# KiCad board MothBox.kicad_pcb (continued)
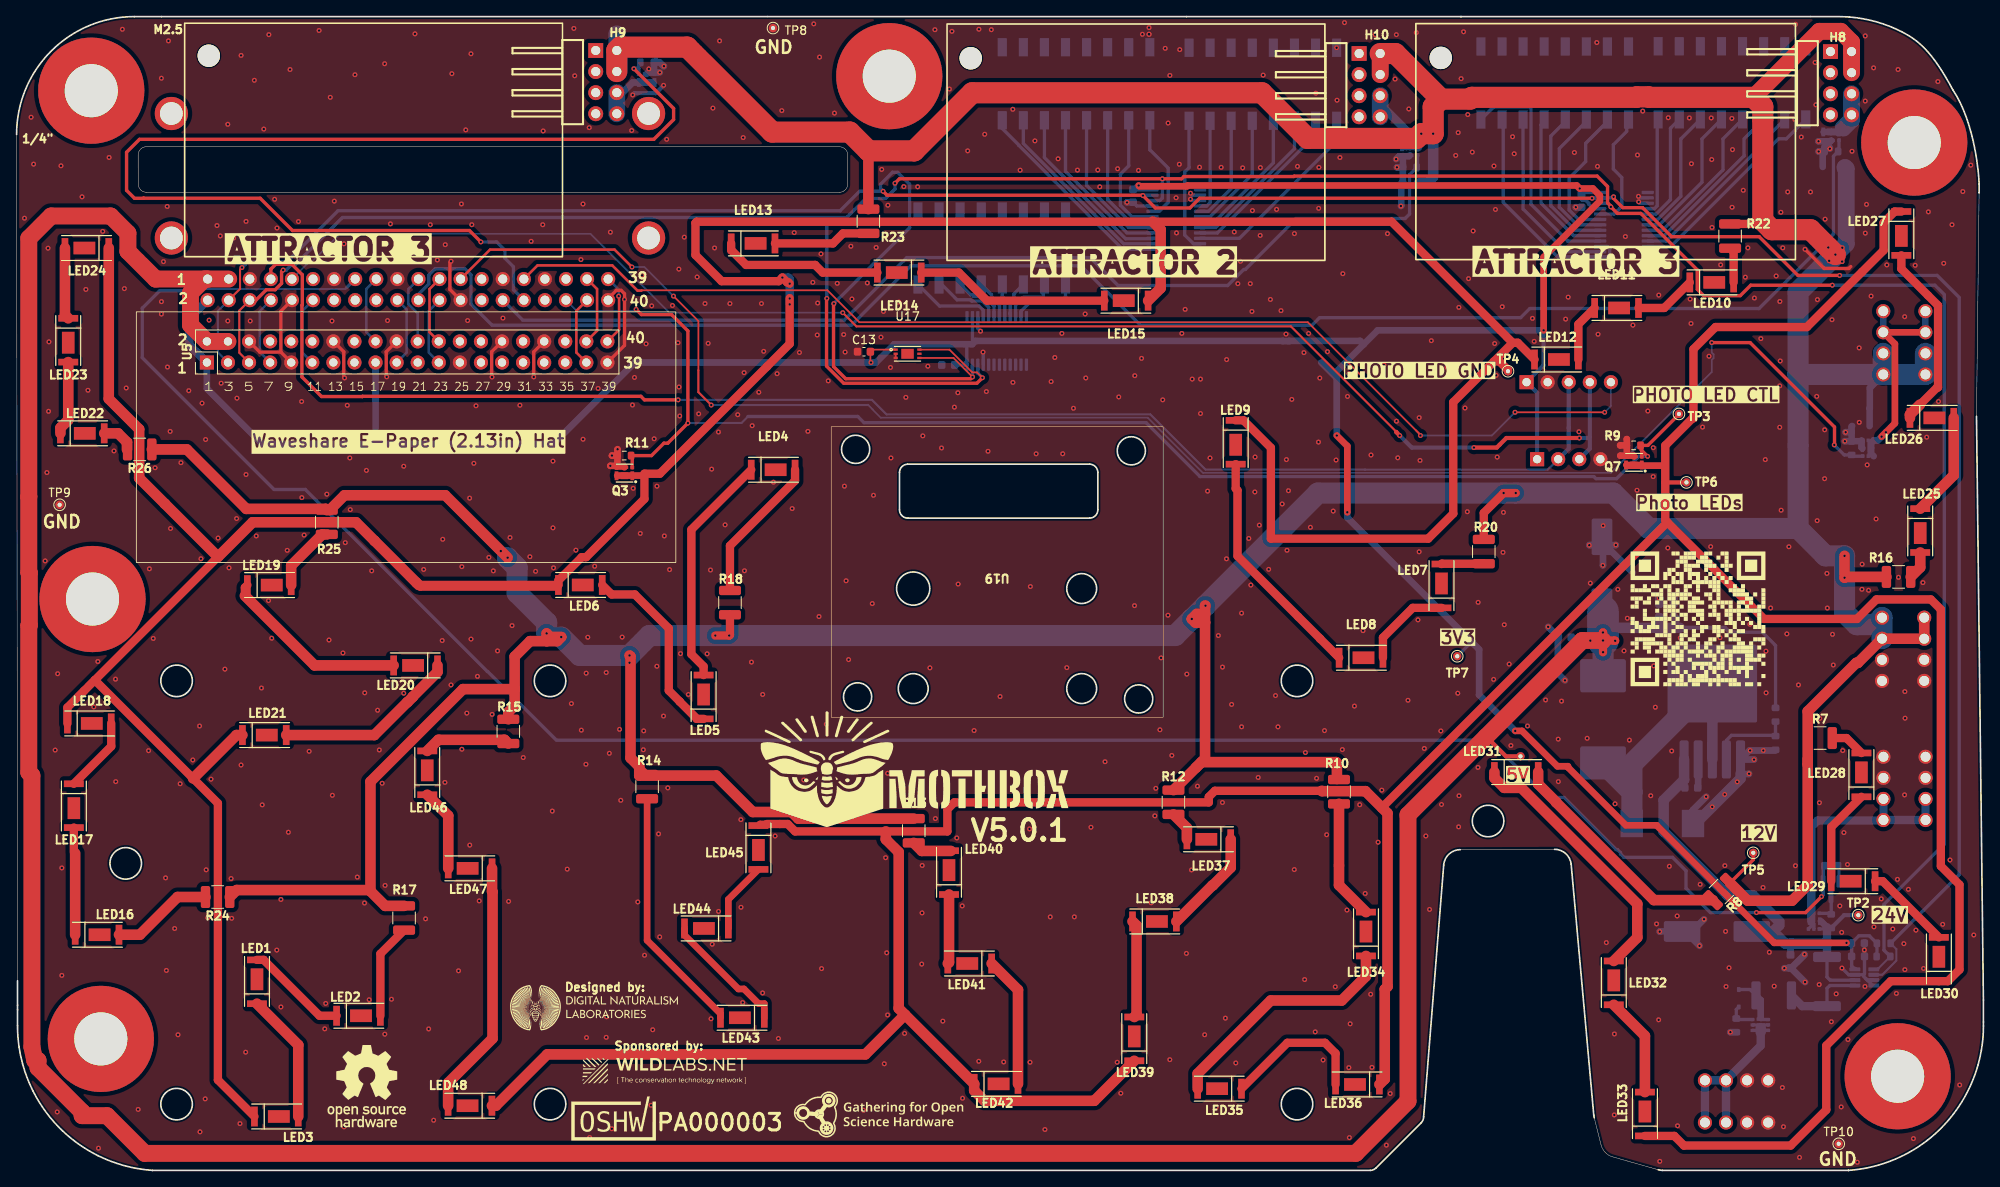
[diagram p0: board, top side]
## Routing (per net, layer and track width the routed paths; a pad name or vN(x,y) marks a point on that pad's centre or on a via; arc(x,y) is an arc through that point) (continued)
/GPS and Switches and Light Sensor/HI/LOW_PWR: length 8.4
  Bottom w0.4: U9.5 117.12,104.01 116.39,104.74 115.1,104.74 114.95,104.89 113.32,104.89 111.47,106.74 U12.15 111.21,106.68
/GPS and Switches and Light Sensor/Hour_1: length 11.7
  Bottom w0.4: U16.4 197.33,115.88 197.67,116.22 197.67,126.52 U13.16
/GPS and Switches and Light Sensor/Hour_2: length 13.6
  Bottom w0.4: U16.5 197.53,115.23 199.27,116.97 199.27,125.57 U13.15
/GPS and Switches and Light Sensor/Hour_3: length 15.4
  Bottom w0.4: U16.6 197.73,114.58 200.53,117.37 200.53,124.29 U13.14
/GPS and Switches and Light Sensor/Hour_4: length 17.2
  Bottom w0.4: U13.13 203.07,124.29 203.07,119.06 197.93,113.93 U16.7
/GPS and Switches and Light Sensor/Hour_5: length 19.1
  Bottom w0.4: U16.8 198.33,113.28 205.61,120.56 205.61,124.29 U13.12
/GPS and Switches and Light Sensor/Hour_6: length 21
  Bottom w0.4: U16.9 198.53,112.63 208.15,122.25 208.15,124.29 U13.11
/GPS and Switches and Light Sensor/Hour_7: length 22.8
  Bottom w0.4: U13.10 210.69,124.29 210.69,123.9 198.77,111.98 U16.10
/GPS and Switches and Light Sensor/Hour_8: length 25.4
  Bottom w0.4: U16.11 199.33,111.33 212.29,124.29 213.23,124.29 U13.9
/GPS and Switches and Light Sensor/Hour_9: length 28.5
  Bottom w0.4: U14.16 177.94,128.12 182.47,128.12 182.47,116.41 186.9,111.98 U16.15
/GPS and Switches and Light Sensor/Hour_10: length 27.6
  Bottom w0.4: U14.15 178.98,126.37 179.13,126.22 179.13,116.63 185.68,110.08 191.66,110.08 191.95,110.37 191.95,110.99 191.61,111.33 U16.14
/GPS and Switches and Light Sensor/Hour_11: length 22.2
  Bottom w0.4: U16.13 186.67,110.68 181.52,115.83 U14.14
/GPS and Switches and Light Sensor/Hour_12: length 19
  Bottom w0.4: U16.16 187.6,112.63 183.68,116.55 183.68,126 184.06,126.37 U14.13
/GPS and Switches and Light Sensor/Hour_13: length 18.3
  Bottom w0.4: U16.17 187.8,113.28 184.86,116.22 184.86,124.64 186.6,126.37 U14.12
/GPS and Switches and Light Sensor/Hour_14: length 17.7
  Bottom w0.4: U16.18 188,113.93 185.88,116.05 185.88,123.12 189.14,126.37 U14.11
/GPS and Switches and Light Sensor/Hour_15: length 17
  Bottom w0.4: U14.10 191.68,126.37 189.06,123.75 189.06,121.55 187.06,119.55 187.06,115.72 188.2,114.58 U16.19
/GPS and Switches and Light Sensor/Hour_16: length 14.6
  Bottom w0.4: U14.9 194,126.4 194,125.2 192.39,123.59 192.39,120.65 193.41,119.63 193.41,116.17 192.47,115.23 U16.20
/GPS and Switches and Light Sensor/Hour_17: length 11.2
  Bottom w0.4: U10.15 143.81,116.62 143.39,116.21 U15.4
/GPS and Switches and Light Sensor/Hour_18: length 13.1
  Bottom w0.4: U15.5 143.59,115.56 146.35,118.31 U10.14
/GPS and Switches and Light Sensor/Hour_19: length 14.9
  Bottom w0.4: U15.6 143.79,114.91 148.89,120 U10.13
/GPS and Switches and Light Sensor/Hour_20: length 16.9
  Bottom w0.4: U15.7 144.28,114.26 151.43,121.4 U10.12
/GPS and Switches and Light Sensor/Hour_21: length 18.7
  Bottom w0.4: U15.8 144.48,113.61 153.97,123.09 U10.11
/GPS and Switches and Light Sensor/Hour_22: length 20.5
  Bottom w0.4: U10.10 156.51,124.78 144.68,112.96 U15.9
/GPS and Switches and Light Sensor/Hour_23: length 23.8
  Bottom w0.4: U15.10 147.34,112.31 159.05,124.02 U10.9
/GPS and Switches and Light Sensor/Hour_24: length 16.3
  Bottom w0.4: U15.11 141.79,111.66 140.74,112.71 140.74,120.31 141.27,120.83 U10.16
/GPS and Switches and Light Sensor/INT/EXT_Attractor: length 6.6
  Bottom w0.4: U12.14 114.94,105.49 115.33,105.49 115.33,105.29 116.62,105.29 117.77,104.14 U9.6
/GPS and Switches and Light Sensor/Mon: length 15.1
  Bottom w0.4: U11.10 134,121.04 132.99,120.03 132.99,116.3 134.39,114.91 U15.19
/GPS and Switches and Light Sensor/Sat: length 23.4
  Bottom w0.4: U15.14 133.39,111.66 121.3,123.74 U11.15
/GPS and Switches and Light Sensor/Sun: length 25.1
  Bottom w0.4: U11.16 118.76,125.53 120.75,123.54 120.75,123.51 133.16,111.11 133.19,111.11 133.29,111.01 U15.13
/GPS and Switches and Light Sensor/Test_Debug: length 10
  Bottom w0.4: U9.4 116.47,103.64 115.97,104.14 111.21,104.14 U12.16
/GPS and Switches and Light Sensor/Thur: length 19.7
  Bottom w0.4: U11.13 126.38,120.36 133.79,112.96 U15.16
/GPS and Switches and Light Sensor/Tue: length 16.1
  Bottom w0.4: U11.11 131.46,116.98 134.19,114.26 U15.18
/GPS and Switches and Light Sensor/Wed: length 17.9
  Bottom w0.4: U15.17 133.99,113.61 128.92,118.67 U11.12
/RPI5/GPIO4/GPIO_GCKL: length 8.6
  Bottom w0.305: U5.7 29.3,98.6 29.3,103.52 U7.8
/RPI5/Save for eink_11: length 8.5
  Bottom w0.305: U5.11 34.43,98.55 34.43,103.57 U7.12
/RPI5/Save for eink_18: length 8.5
  Bottom w0.305: U5.18 42.13,101 42.13,106.19 U7.17
/RPI5/Save for eink_19: length 8.5
  Bottom w0.305: U7.20 46.99,103.74 46.99,98.55 U5.19
/RPI5/Save for eink_22: length 8.5
  Bottom w0.305: U7.21 47.21,106.19 47.21,104.36 48.33,103.24 U5.22
/RPI5/Save for eink_23: length 8.5
  Bottom w0.305: U5.23 49.67,98.55 49.67,103.57 U7.24
/RPI5/Save for eink_24: length 8.5
  Top w0.305: U7.23 49.75,106.19 49.75,101 U5.24
/RPI5/Save for relay: length 8.5
  Top w0.305: U5.38 69.94,101.18 69.94,106.19 U7.37
/RPI5/Save for relay 2: length 8.6
  Top w0.305: v1(72.55,105.33) 72.59,105.29 72.59,101.29 U5.40
  Bottom w0.305: v1(72.55,105.33) 72.55,106.13 U7.39
/RPI5/Save for relay 3: length 8.5
  Top w0.305: U7.38 67.45,103.57 67.45,98.55 U5.37
EN_12VReg: length 269.1
  Top w0.4: v1(209.63,31.06) 215.55,31.06 v1(217.47,32.98)
  Bottom w0.203: 39.74,106.34 39.72,106.34 39.57,106.19 22.37,106.19 22.21,106.03
  Bottom w0.4: 39.74,106.34 U7.15 ; 22.21,105.98 17.23,105.98 15.14,103.89 15.14,97.92 31.02,82.05 34.79,82.05 56.73,60.11 56.76,60.11 65.02,51.84 177.51,51.84 184.41,44.94 186.45,44.94 192.73,38.66 192.87,38.66 193.26,38.28 193.26,38.14 193.67,37.72 199.53,37.72 201.15,36.1 201.15,33.99 204.08,31.06 v1(209.63,31.06) ; v1(217.47,32.98) 217.67,33.18 Q2.1 217.67,36.55 R1.1
GPS_PPS: length 145.5
  Top w0.203: 168.59,89.18 169.15,88.62 v1(169.15,88.54) ; 168.59,89.18 155.58,102.19 101.55,102.19 97.7,106.04 75.33,106.04 75.29,106.01 ; 168.59,89.18 169.23,88.54 ; v1(191.35,91.34) v1(180.55,91.34)
  Top w0.305: 75.29,106.01 74.81,106.01 71.77,109.04 62.76,109.04 U7.31
  Bottom w0.203: v1(169.15,88.54) 177.75,88.54 v1(180.55,91.34) ; U8.5 192.1,92.09 v1(191.35,91.34)
GPS_RX: length 184.6
  Top w0.4: v1(79.71,92.84) 75.65,92.84 75.22,93.27 41.69,93.27 41.66,93.24 41.66,93.25 36.74,93.25 34.38,95.61 34.38,104.25 34.43,104.3 34.43,107.92 33.16,109.19 31.22,109.19 30.64,108.6 U7.7
  Bottom w0.25: H1.2 184.48,84.42 162.43,84.42 162.45,84.44 143.25,84.44 136.6,91.09 104.81,91.09 103.06,92.84 v1(79.71,92.84)
  Bottom w0.5: 187.02,89.51 187.02,86.96 H1.2 ; 187.02,89.51 187.05,89.54 ; 187.02,89.51 187.02,89.49 U8.3
GPS_TX: length 180.3
  Top w0.25: v1(99.54,103.34) 101.19,101.69 153.54,101.69 166.69,88.54
  Top w0.5: v1(175.6,87.09) 178.35,87.09 179.5,88.25 v1(188.3,88.25) ; v1(166.65,88.54) 166.24,88.95 166.24,88.99
  Bottom w0.203: v1(99.54,103.34) 78.65,103.34 69.15,112.84 38.96,112.84 36.36,110.24 36.32,110.24 35.41,109.34 35.12,109.34 U7.9
  Bottom w0.5: 189.56,88.34 U8.4 ; 189.56,88.34 189.46,88.25 v1(188.3,88.25) ; 189.56,88.34 189.56,86.96 H1.3 ; v1(166.65,88.54) 168.1,87.09 v1(175.6,87.09)
PHOTO_LED_CTRL: length 167
  Top w0.4: R9.1 196.56,87.36 200.3,91.09 TP3.1 ; R9.1 195.82,87.2 Q7.3 ; R9.1 195.69,87.33 195.69,87.29 195.75,87.23 195.75,86.81 v1(196.52,86.04) ; v1(74.65,103.75) 75.28,103.12 78.91,103.12 80.89,101.14 v1(80.89,90.04) 78.46,87.62 78,87.62 76.5,86.13 R11.1 74.18,85.99 Q3.3
  Bottom w0.203: U7.36 67.51,103.54 74.44,103.54 v1(74.65,103.75)
  Bottom w0.25: v1(80.89,90.04) 80.9,90.06 87.34,90.06 88.13,90.84
  Bottom w0.4: v1(196.52,86.04) 195.47,86.04 192.77,83.34 190.3,83.34 190.05,83.59 142.6,83.59 136.1,90.09 102.1,90.09 101.35,90.84 88.13,90.84
SCL: length 369.4
  Top w0.203: U17.6 112.4,98.89 115.14,96.15 115.73,96.15 v1(116.37,95.51)
  Top w0.25: U5.5 26.83,98.52 26.83,103.59 U7.6
  Top w0.4: U7.6 28.84,104.86 30.09,106.11 31.15,106.11 31.93,106.88 31.93,108.29 v1(32.12,108.48) ; v1(116.37,95.51) 115.7,94.84 99.66,94.84 97.59,96.91 97.59,105.03 v1(97.62,105.07) ; v1(218.78,106.66) 208.95,106.66 207.69,105.4 203.27,105.4 202.51,106.16 202.51,108.5 195.7,115.31 192.88,115.31 v1(192.09,116.1) 192.09,116.18 191.69,116.58 191.69,118.55 190.44,119.8 153.95,119.8 153.9,119.75 140.64,119.75 140.37,119.48 v1(138.05,119.48) 106.37,119.48 v1(105.84,118.94)
  Bottom w0.25: U3.5 224.21,24.23 R5.1
  Bottom w0.4: v1(97.62,105.07) 97.62,114.44 97.25,114.81 ; v1(105.84,118.94) 105.84,118.25 104.71,117.12 102.3,117.12 100,114.81 97.25,114.81 ; 115.82,97.08 115.82,96.06 v1(116.37,95.51) 116.22,95.51 ; 97.25,114.81 39.26,114.81 33.55,109.1 33.11,109.1 32.5,108.48 v1(32.12,108.48) ; v1(218.78,106.66) 231.13,106.66 232.27,105.52 232.27,39.32 224.99,32.05 224.99,26.54 R5.1 ; v1(138.05,119.48) 138.05,117.16 137.75,116.86 U15.22 ; v1(192.09,116.1) 192.09,116.18 191.74,116.53 U16.22
SDA: length 376.5
  Top w0.203: U17.4 112.88,97.89 v1(115.18,95.6)
  Top w0.25: U7.4 26.92,106.22 26.92,108.56 v1(27.15,108.79)
  Top w0.4: v1(115.18,95.6) 114.97,95.39 99.89,95.39 98.43,96.85 98.43,104.4 v1(98.47,104.44) ; v1(219.66,107.84) 214.63,107.84 209.96,112.5 199.41,112.5 195.91,116 193.53,116 192.42,117.11 v1(192.42,117.31) ; v1(104.41,117.97) 104.87,117.5 135.67,117.5 v1(135.71,117.46) 137.21,115.96 141.37,115.96 142.54,117.13 v1(189.82,117.13)
  Bottom w0.25: 27.22,108.86 v1(27.15,108.79) ; U5.3 24.25,98.57 24.25,103.55 U7.4 ; R6.1 226.49,26.67 226.49,25.28 224.79,23.58 U3.6
  Bottom w0.4: v1(189.82,117.13) 189.87,117.18 U16.23 192.29,117.18 v1(192.42,117.31) ; R6.1 234.07,35.63 234.07,105.18 231.4,107.84 v1(219.66,107.84) ; U9.23 115.17,95.61 v1(115.18,95.6) 115.11,95.53 ; U15.23 135.76,117.51 v1(135.71,117.46) ; v1(27.15,108.79) 27.53,109.16 27.55,109.16 27.86,109.47 32.56,109.47 38.72,115.63 99.23,115.63 101.57,117.97 v1(104.41,117.97) 104.1,118.27 104.1,118.83 105.53,120.25 105.53,120.26 106.17,120.26 107.6,118.82 107.6,113.57 v1(98.47,104.44)
UV1_CTRL: length 200.1
  Bottom w0.4: Q5.3 219.58,122.88 R27.1 218.91,122.21 218.91,112.81 209.94,103.84 182.32,103.84 181.22,102.74 157,102.74 156.1,101.84 135.39,101.84 128.25,108.99 107.73,108.99 100.59,101.84 57.28,101.84 54.75,104.38 54.75,107.92 54.01,108.65 50.44,108.65 49.67,107.88 49.67,106.82 48.42,105.57 U7.22
UV2_CTRL: length 125.9
  Bottom w0.4: U7.30 60.99,102.44 99.72,102.44 107.27,109.99 129.35,109.99 132.72,106.62 145.93,106.62 147.86,108.55 148.04,108.55 154.19,114.7 167.3,114.7 167.84,115.23 167.84,120 R21.1 168.8,120.96 Q9.3
UV3_CTRL: length 137.9
  Top w0.4: v1(74.38,132.74) 79.16,127.96 79.16,126.61 76.78,124.23 14.8,124.23 13.25,122.68 13.25,118.09 14.21,117.12 15.27,117.12 15.3,117.16 15.33,117.13 29.35,117.13 33.24,113.24 54.57,113.24 v1(55.94,111.87)
  Bottom w0.4: R31.1 74.96,133.31 74.96,132.79 ; v1(55.94,111.87) 57.83,111.87 58.84,110.87 58.84,109.9 59.87,108.87 59.87,106.11 U7.32 ; Q6.3 74.96,132.79 ; 74.96,132.79 74.43,132.79 v1(74.38,132.74)
UV4_EX_CTRL: length 202.3
  Top w0.203: 82.15,96.4 82.15,102.34 v1(79.15,105.34)
  Top w0.25: 82.15,96.4 82.15,93.77 v1(83.7,92.22)
  Top w0.305: U7.25 57.05,110.95 72.05,110.95 v1(74.15,108.84)
  Top w0.4: v1(204.25,99.74) 208.87,99.74 219.04,89.57 219.04,87.44 v1(219.01,87.41)
  Bottom w0.203: 102.6,92.24 103.13,91.71 103.13,91.68 104.12,90.69 136.3,90.69 142.94,84.05 192.1,84.05 204.25,96.2 204.25,97.65 204.47,97.87 204.47,98.33 204.25,98.55 v1(204.25,99.74) ; v1(79.15,105.34) 75.65,108.84 v1(74.15,108.84)
  Bottom w0.25: 102.6,92.24 102.57,92.22 v1(83.7,92.22)
  Bottom w0.4: Q4.3 221.25,86.06 R19.1 220.22,86.21 v1(219.01,87.41)
Net-(D1-A): length 3.6
  Bottom w0.4: D1.2 207.21,19.4 R29.1 207.33,18.18 209.21,18.18
Net-(D1-K): length 6.3
  Bottom w0.4: 210.14,18.23 210.19,18.18 211.08,18.18 ; D1.1 208.87,21.79 F2.1
  Bottom w0.8: F2.1 210.14,20.52 210.14,18.38
Net-(E1-C): length 33.7
  Bottom w1.27: U2.3 U2.3
  Bottom w2.54: 194.64,43.05 194.64,45.6 ; 194.64,45.6 194.64,48.99 U2.3 ; 194.64,45.6 L1.1
Net-(H8-Pad6): length 6.3
  Bottom w0.8: 217.75,125.12 217.76,125.13 Q5.8 219.47,125.13
  Bottom w1: 219.47,125.13 219.5,125.09
  Bottom w2.032: H8.6 H8.8 221.09,126.59 220.1,125.59
Net-(H9-Pad6): length 8
  Bottom w0.8: 72.32,129.32 H9.6 73.01,129.86 74.23,131.08 Q6.8 76.72,131.08 76.72,131.07
  Bottom w2.032: H9.8 H9.6
Net-(H10-Pad6): length 13.8
  Bottom w0.8: 167.04,123.33 167.43,123.33 168.43,124.33 ; 167.04,123.33 Q9.8 168.78,123.33 168.81,123.3 ; 167.04,123.33 167.02,123.31
  Bottom w1: 168.8,123.25 168.86,123.31 168.86,123.89 164.3,128.46 164.3,128.95
  Bottom w2.032: H10.8 H10.6
Net-(J2-Pin_3): length 25
  Bottom w0.4: 210.14,17.2 210.47,16.88 211.08,16.88 ; 210.14,17.2 209.82,16.88 209.21,16.88 ; 210.14,17.2 210.47,17.53 211.08,17.53 ; 210.14,17.2 209.82,17.53 209.21,17.53
  Bottom w1: J2.3 J2.4 J2.4 ; J2.3 210.14,15.02 210.14,16.68 ; J2.3 J2.3
  Bottom w1.27: 210.14,16.68 210.14,17.14
Net-(J3-Pin_3): length 32.7
  Bottom w0.4: 215.91,29.1 216.23,29.42 216.23,30.03 216.56,29.71 216.56,29.1
  Bottom w1: J3.3 J3.4 J3.4 ; J3.4 224.87,42.16 217.01,42.16 216.23,41.38 216.23,30.03 ; J3.4 J3.3
Net-(J4-Pin_1): length 28
  Top w0.8: J4.2 J4.2 226.31,99.58 226.31,90.02 v1(225.23,88.93) v1(224.71,88.41)
  Bottom w0.8: v1(225.23,88.93) v1(224.71,88.41) 224.26,87.96 Q4.6 223.43,87.63 Q4.8 223.43,86.39 Q4.1 ; J4.1 J4.2 ; J4.1 J4.2
Net-(LED1-A): length 12.4
  Top w1: LED1.2 29.76,25.36 36.5,18.63 LED2.1
Net-(LED1-K): length 15.7
  Top w1.27: LED1.1 33.94,15.11 LED3.2
Net-(LED2-A): length 11.5
  Top w1: R17.2 43.83,26.1 LED2.2
Net-(LED4-A): length 17.8
  Top w1: LED4.2 93.8,83.1 85.95,75.26 R18.2
Net-(LED4-K): length 28.3
  Top w1: LED5.2 82.78,60.72 81.3,62.2 81.3,77.2 LED4.1
Net-(LED5-K): length 23.3
  Top w1: LED6.2 71.7,69.39 74.49,69.39 78.58,65.3 78.58,57.82 79.89,56.51 79.89,56.49 81.98,54.4 LED5.1
Net-(LED7-A): length 5.1
  Top w1: R20.2 171.73,73.1 LED7.2
Net-(LED7-K): length 11
  Top w1: LED8.2 164.63,64.19 168.22,67.78 LED7.1
Net-(LED8-K): length 28.5
  Top w1: LED9.2 146.89,82.15 147.11,81.93 147.11,74.02 157.06,64.07 157.06,64.06 LED8.1
Net-(LED10-A): length 4.3
  Top w1: LED10.2 206.88,110.69 R22.2
Net-(LED10-K): length 7.5
  Top w1: LED11.2 198.52,103.91 LED10.1
Net-(LED11-K): length 7
  Top w1: LED11.1 188.17,101.95 LED12.2
Net-(LED12-K): length 457.9
  Top w0.8: 75.65,83.95 75.42,83.72 72.37,83.72
  Top w1: 178.02,97.48 180.26,99.72 ; 178.02,97.48 178.67,97.48 179.7,96.45 TP4.1 ; 178.02,97.48 173.1,92.57 173.1,79.14 170.08,76.12 151.13,76.12 151.13,87.07 147.83,90.37 LED9.1 ; 180.26,99.72 180.88,99.72 LED12.1 ; 180.26,99.72 165.67,114.31 81.95,114.31 81.8,114.16 81.8,110.29 84.95,107.14 91.83,107.14 v1(92.26,107.58) 92.84,107 92.99,107 v1(93.15,106.84) ; LED3.1 24.26,10.9 24.26,44.24 9.42,59.07 ; 9.42,59.07 24.27,73.92 ; 9.42,59.07 6.12,55.78 LED18.1 ; 93.15,105.1 93.15,99.59 77.5,83.95 75.65,83.95 75.65,80.91 68.63,73.89 68.1,73.89 65.28,71.07 LED6.1 48.45,70.54 ; 48.19,70.8 48.65,70.34 65.08,70.34
  Top w1.27: 136.9,114.31 137.85,113.36 137.85,106.3 LED15.1 ; LED24.1 11.11,92.97 14.77,89.31 14.77,83.42 17.88,80.31 17.88,80.31 24.27,73.92 28.44,78.1 40.89,78.1 43.13,75.86 43.13,75.86 48.45,70.54 ; LED21.1 26.49,52.45 21.26,47.23
  Bottom w1: v1(92.26,107.58) 93.01,107.58 93.15,107.44 v1(93.15,106.84) v1(93.15,104.34)
  vias: v1(93.15,105.05)
Net-(LED13-A): length 11.8
  Top w1: LED13.2 98.36,111.69 99.57,112.9 R23.2
Net-(LED13-K): length 19.5
  Top w1: LED13.1 86.1,110.89 87.89,109.1 96.21,109.1 97.13,108.18 LED14.2
Net-(LED14-K): length 23.5
  Top w1: LED14.1 113.53,108.18 116.92,104.79 LED15.2
Net-(LED16-A): length 12.3
  Top w1.27: LED16.2 14.85,28.39 19.39,32.94 R24.2
Net-(LED16-K): length 13
  Top w0.5: 7.06,38.2 6.9,38.36
  Top w1: LED17.2 6.9,38.36
  Top w1.27: LED16.1 7.06,38.2
Net-(LED17-K): length 9.1
  Top w1: LED17.1 11.4,51.09 LED18.2
Net-(LED19-A): length 8.2
  Top w1.27: LED19.2 33.08,72.88 36.83,76.63 37.38,76.63
Net-(LED19-K): length 22.8
  Top w1: 27.51,69.24 27.51,70.23 LED19.1
  Top w1.27: 27.51,69.24 35.9,60.84 LED20.2
Net-(LED20-K): length 22.2
  Top w1.27: LED21.2 43.1,52.45 47.06,56.41 47.1,56.41 47.73,57.04 47.73,57.08 50.71,60.06 LED20.1
Net-(LED22-A): length 4.1
  Top w1.27: LED22.2 12.23,88.81 13.3,87.74 13.3,86.87
Net-(LED22-K): length 9
  Top w1.27: LED22.1 5.28,89.46 6.22,90.41 LED23.2
Net-(LED23-K): length 8.6
  Top w1.27: LED24.2 5.83,103.07 LED23.1
Net-(LED25-A): length 3.4
  Top w1.27: LED25.2 229.37,72.66 R16.2
Net-(LED25-K): length 12.6
  Top w1.27: LED26.2 233.41,83.77 LED25.1
Net-(LED26-K): length 22.9
  Top w1: 229.33,92.27 231.41,94.34 231.51,94.34 231.51,104.21 227.09,108.63 LED27.2
  Top w1.27: 229.33,92.27 228.13,91.07 LED26.1
Net-(LED27-K): length 480.9
  Top w0.5: 198.65,82.9 198.66,82.89 TP6.1
  Top w0.8: 208.31,68.68 210.54,66.45 ; 198.56,84.91 194.07,84.91 193.99,84.99 Q7.8 195.75,84.99 195.75,84.99 ; 91.95,41.74 89.57,41.74 LED45.1
  Top w1: 208.31,68.68 207.69,69.3 ; 207.69,69.3 210.54,66.45 221.75,66.45 224.1,68.79 230.65,68.79 231.85,67.59 231.85,36.67 234.1,34.42 234.1,24.19 232.7,22.8 LED30.1 225.81,22.8 218.05,15.03 218.05,7.29 213.75,2.99 200.9,2.99 199.74,4.15 LED33.1 ; 207.69,69.3 198.9,78.09 ; LED27.1 226.29,115.54 224.95,114.2 224.95,110.85 215.71,101.62 204.71,101.62 202.05,98.96 202.05,90.63 201.93,90.63 198.65,87.34 198.65,78.34 198.9,78.09 ; 198.9,78.09 164.51,43.7 ; 90.38,41.74 92.91,41.74 93.8,40.84 112.15,40.84 112.15,43.5 112.99,44.34 143.65,44.34 143.65,45 144.38,45.74 157.26,45.74
  Top w1.27: 107.04,18.76 102.27,13.98 63.94,13.98 57.75,7.79 LED48.1 ; 107.04,18.76 106.28,19.52 106.28,38.34 104.73,39.89 104.73,40.84 ; 107.04,18.76 LED42.1 115.38,9.62 116.61,8.39 129.85,8.39 LED39.1 ; LED36.1 164.85,11 164.85,21.82 165.18,22.15 165.18,43.03 162.52,45.69 157.3,45.69 157.26,45.74
Net-(LED28-A): length 4.3
  Top w1: R7.2 220.48,52.09 LED28.2
Net-(LED28-K): length 11.7
  Top w1: LED28.1 218.65,41.38 LED29.2
Net-(LED29-K): length 10.5
  Top w1: LED29.1 224.85,34.84 LED30.2
Net-(LED31-A): length 28.3
  Top w1.27: R8.2 197.28,32.57 185.5,44.34 185.5,44.38 183.34,46.54 LED31.2
Net-(LED31-K): length 32.3
  Top w1.27: LED32.2 195.28,28.06 195.28,32.11 181.3,46.09 179.25,46.09 178.06,47.29 LED31.1
Net-(LED32-K): length 12.1
  Top w1.27: LED33.2 196.2,16.2 LED32.1
Net-(LED34-A): length 14.4
  Top w1.27: LED34.2 159.33,34.37 R10.2
Net-(LED34-K): length 29.4
  Top w1.27: LED35.2 142.31,11.66 151.12,20.47 159.66,20.47 162.59,23.4 LED34.1
Net-(LED35-K): length 17.9
  Top w1: LED35.1 153.11,15.37 157.64,15.37 158.92,14.09 LED36.2
Net-(LED37-A): length 3.7
  Top w1.27: LED37.2 141.01,41.28 R12.2
Net-(LED37-K): length 12.6
  Top w1.27: LED37.1 146.29,36.49 144.14,34.34 144.09,34.34 LED38.2
Net-(LED38-K): length 11.8
  Top w1.27: LED39.2 134.95,18.76 134.95,29.5 LED38.1
Net-(LED40-A): length 4.9
  Top w1.27: 112.57,38.49 109.06,38.49 R13.2
Net-(LED40-K): length 8.4
  Top w1.27: LED41.2 112.35,25.07 LED40.1
Net-(LED41-K): length 15.8
  Top w1.27: LED41.1 120.66,21.75 LED42.2
Net-(LED43-A): length 30
  Top w0.8: R14.2 75.97,27.72 84.81,18.88 LED43.2
Net-(LED43-K): length 15.5
  Top w0.8: LED43.1 90.09,20.09 89.4,20.09 87.64,21.86 86.97,21.86 80.48,28.35 LED44.2
Net-(LED44-K): length 8.6
  Top w0.8: LED45.2 85.76,32.64 LED44.1
Net-(LED46-A): length 10.5
  Top w1.27: R15.2 58.8,51.88 50.82,51.88 LED46.2
Net-(LED46-K): length 9.9
  Top w1.27: LED47.2 52.01,42.74 LED46.1
Net-(LED47-K): length 30.8
  Top w1.27: LED47.1 57.29,33.6 57.34,33.55 57.34,15.89 51.99,10.54 LED48.2
Net-(Q2-D): length 3.6
  Bottom w0.4: 217.21,30.97 218.52,30.97 R30.2 218.64,32.94 Q2.3
Net-(U2-FB): length 10
  Bottom w0.4: U2.2 206.02,51.81 206.62,52.42 211.93,52.42 211.93,53.99 211.93,53.99
Net-(U2-VC): length 3.4
  Bottom w0.8: U2.4 202.6,49.5 202.6,46.11
Net-(U3-IN+): length 10.5
  Bottom w0.4: U3.1 218.48,22.28 218.13,21.93 R4.2
  Bottom w1: R4.2 215.15,19.79 F2.2

## Copper pours and planes (outline as drawn; the poured copper is in the pictures)
GND on Top, Bottom: 20.04,142.63 227.8,143.16 242.72,129.12 240.94,12.73 229.55,-3.17 11.82,-3.02 -6.19,7.18 -5.33,129.45 5.07,141.5

## Text on the board
B.Silkscreen: Regulated 12V+ | Regulator Input | -------MODE--------- | --------DAYS--------- | ------HOURS-------- | U1 C1 A1 A2 A3 EXT HI DEBUG | Active Mo Tu We Th Fr Sa Su | 17 18 19 20 21 22 23 00 | 09 10 11 12 13 14 15 16 | 01 02 03 04 05 06 07 08 | SERIAL | 1/4{dblquote} | M2.5 | Arducam Owlsight 64mp | GPS / (4 pin or 5 pin) | --RAW INPUT++ | (9-36v) | External Attractor | Documentation: https://digital-naturalism-laboratories.github.io/Mothbox/ | PHOTO LED GND | 5V | Photo LEDs | 12V | PHOTO LED CTL | 24V | GND | ++ | +   - | MOTHBOX V5.0.1 | RPI-5 | MB: _____________
F.Silkscreen: Designed by: | Sponsored by: | 1/4{dblquote} | M2.5 | 1 | 2 | 39 | 40 | PHOTO LED GND | 3V3 | 5V | PHOTO LED CTL | Photo LEDs | 12V | 24V | GND | PA000003 | V5.0.1 | ATTRACTOR 3 | ATTRACTOR 2
